# Altium PCB 底板20160428.PcbDoc (part 2 of 2)
Units mm, origin at the board's own origin, x right, y up, seen from the top; angles counter-clockwise.
Board outline 123.5 x 102.51 mm, 2 copper layers (Top Layer, Bottom Layer); 238 components, 211 nets, 736 pads, 282 vias.
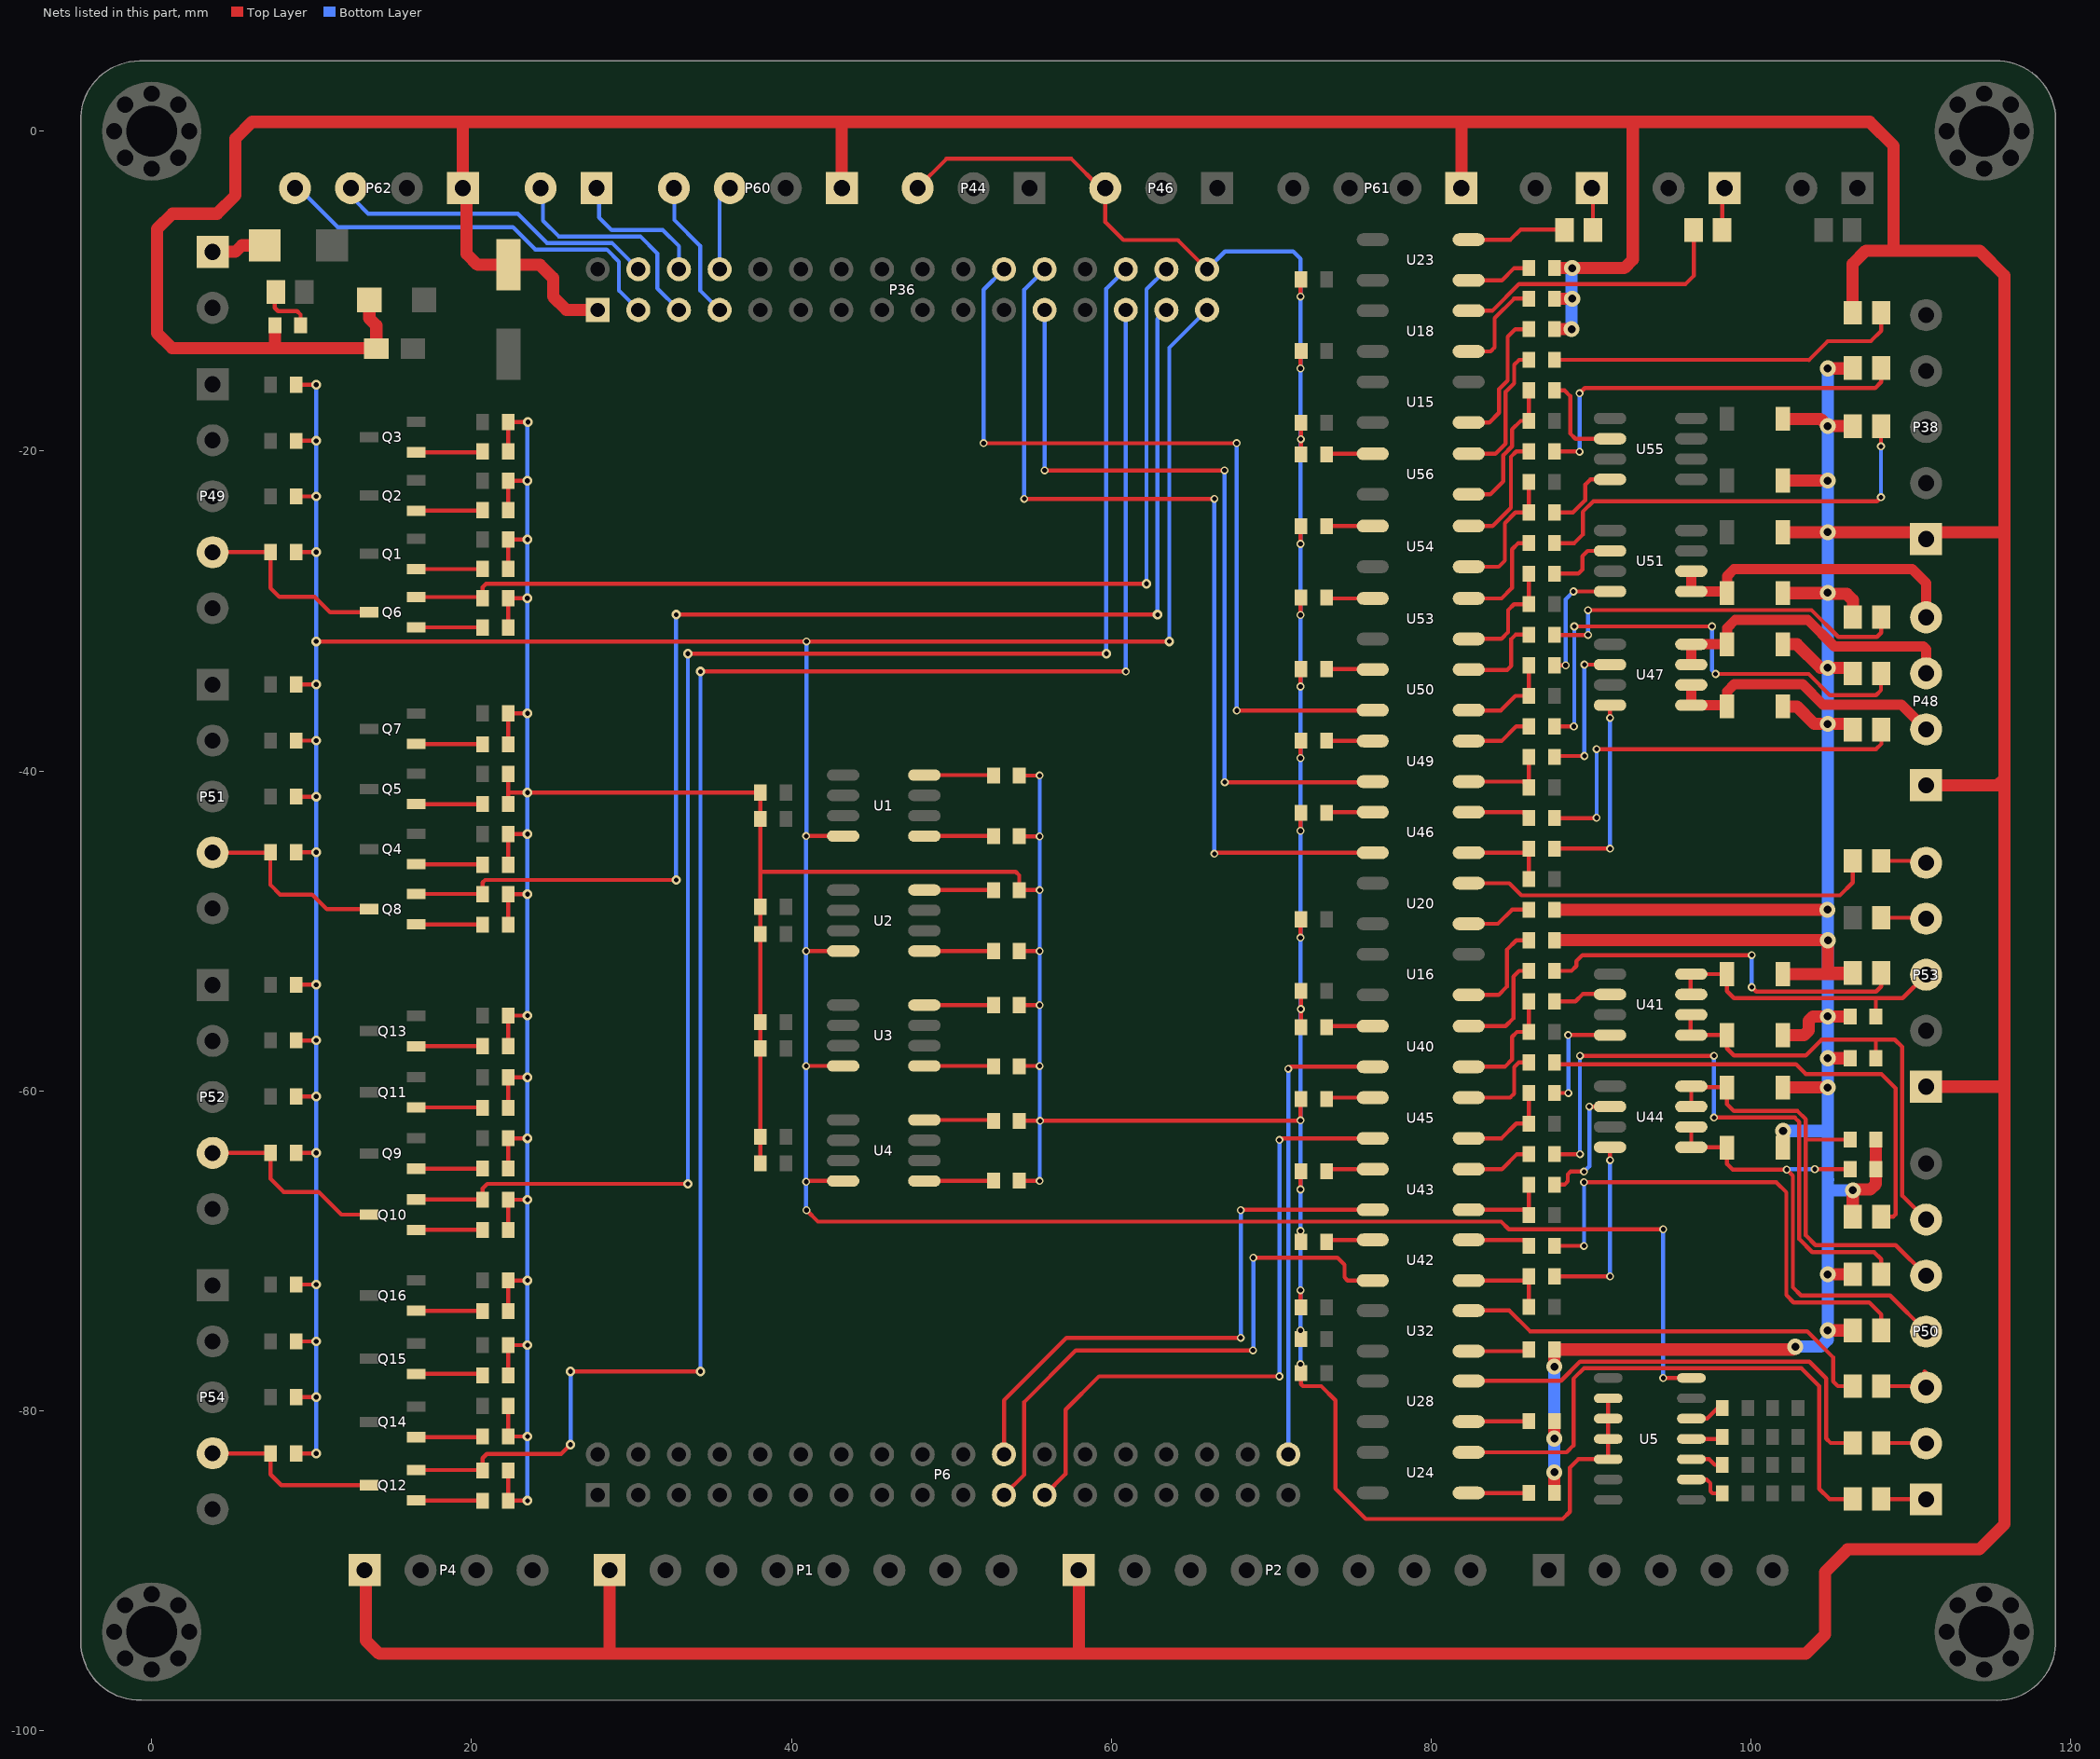
[diagram p2: the nets of this part, all layers, seen from the top]

## Via types
v1: diameter 0.5, hole 0.3, Top Layer to Bottom Layer, tented both sides, 182 vias
v2: diameter 0.6, hole 0.3, Top Layer to Bottom Layer, 47 vias
v3: diameter 0.6, hole 0.3, Top Layer to Bottom Layer, tented both sides, 28 vias
v4: diameter 1, hole 0.5, Top Layer to Bottom Layer, tented both sides, 24 vias
v5: diameter 1.2, hole 0.7, Top Layer to Bottom Layer, 1 vias

## Nets (pads, with @x,y where several pads share a name; then routed paths per layer and width w, separated by ;. In a path a pad name is that pad's centre, name@x,y a point inside that pad or via, vN(x,y) a via of type N, cw(c..) or ccw(c..) an arc to the next point about the centre after c; other vN are vias at no path point) (continued)
NetD18_A: D18.A U18.2 | length 17.7
  Top Layer w0.254: U18.2@82.499,-11.227 83.82,-11.227 85.496,-9.55 95.91,-9.55 96.417,-9.043 D18.A@96.417,-6.172
NetD19_A: D19.A U20.2 | length 26
  Top Layer w0.254: U20.2@82.347,-47.015 84.887,-47.015 85.649,-47.777 105.562,-47.777 106.364,-46.975 D19.A@106.364,-45.618
NetD22_A: D22.A U23.2 | length 6.2
  Top Layer w0.254: U23.2@82.448,-6.782 84.963,-6.782 85.598,-6.147 88.315,-6.147 D22.A@88.34,-6.172
NetD23_A: D23.A U24.2 | length 35.7
  Top Layer w0.254: U24.2@82.398,-82.601 88.468,-82.601 88.9,-82.169 88.9,-78.003 89.56,-77.343 103.149,-77.343 104.267,-78.461 104.267,-84.887 104.902,-85.522 D23.A@106.374,-85.522
NetD27_A: D27.A U28.2 | length 28.8
  Top Layer w0.254: U28.2@82.398,-78.122 88.121,-78.122 89.306,-76.937 103.657,-76.937 104.699,-77.978 104.699,-81.737 104.978,-82.017 D27.A@106.374,-82.017
NetD32_A: D32.A U32.2 | length 26.9
  Top Layer w0.254: U32.2@82.347,-73.736 84.887,-73.736 86.182,-75.032 103.505,-75.032 105.131,-76.657 105.131,-78.156 105.435,-78.461 D32.A@106.364,-78.461
NetD39_K: D39.K R97.1 | length 32.6
  Top Layer w0.254: R97.1@87.706,-69.687 89.55,-69.687 v1(89.56,-69.698) ; v1(89.56,-65.71) 101.575,-65.71 102.21,-66.345 102.21,-72.771 102.667,-73.228 107.391,-73.228 108.144,-73.981 D39.K@108.144,-74.981
  Bottom Layer w0.254: v1(89.56,-69.698) v1(89.56,-65.71)
NetD40_K: D40.K R101.2 | length 24.1
  Top Layer w0.254: R101.2@87.706,-52.495 88.78,-52.495 89.078,-52.197 89.078,-51.892 89.459,-51.511 v1(100.051,-51.511) ; v1(100.051,-53.518) 100.33,-53.797 107.823,-53.797 108.144,-53.476 108.144,-52.654 D40.K@108.153,-52.663
  Bottom Layer w0.254: v1(100.051,-53.518) v1(100.051,-51.511)
NetD41_A: D41.A R106.2 | length 3.4
  Top Layer w0.254: D41.A@7.695,-10.135 7.695,-11.048 7.899,-11.252 9.093,-11.252 9.309,-11.468 R106.2@9.309,-12.141
NetD42_K: D42.K R105.1 | length 39.3
  Top Layer w0.254: R105.1@87.706,-63.956 v1(89.306,-63.956) ; v1(89.306,-57.811) v1(97.688,-57.81) ; v1(97.688,-61.671) 102.743,-61.671 103.022,-61.951 103.022,-69.266 103.835,-70.079 107.696,-70.079 108.144,-70.527 D42.K@108.144,-71.476
  Bottom Layer w0.254: v1(89.306,-63.956) v1(89.306,-57.811) ; v1(97.688,-61.671) v1(97.688,-57.81)
NetD43_K: D43.K R110.2 | length 30.8
  Top Layer w0.254: R110.2@87.706,-58.226 87.821,-58.341 102.816,-58.341 103.429,-58.953 108.153,-58.953 109.042,-59.842 109.042,-67.716 108.89,-67.869 D43.K@108.144,-67.869
NetD49_K: D49.K R114.1 | length 25.8
  Top Layer w0.254: R114.1@87.706,-42.944 90.33,-42.944 v1(90.348,-42.926) ; v1(90.348,-38.633) 107.823,-38.633 108.154,-38.302 D49.K@108.154,-37.414
  Bottom Layer w0.254: v1(90.348,-42.926) v1(90.348,-38.633)
NetD51_K: D51.K R120.1 | length 31.6
  Top Layer w0.254: R120.1@87.706,-37.213 87.708,-37.211 v1(88.925,-37.211) ; v1(88.951,-30.963) v1(97.561,-30.963) ; v1(97.79,-33.934) 103.607,-33.934 104.927,-35.255 107.823,-35.255 108.128,-34.95 108.128,-33.58 D51.K@108.154,-33.553
  Bottom Layer w0.254: v1(88.925,-37.211) 88.951,-37.186 v1(88.951,-30.963) ; v1(97.561,-30.963) 97.561,-33.706 v1(97.79,-33.934)
NetD54_K: D54.K R126.1 | length 26.9
  Top Layer w0.254: R126.1@87.706,-25.752 88.954,-25.752 89.484,-25.222 89.484,-23.8 90.145,-23.139 107.874,-23.139 v1(108.128,-22.885) ; v1(108.128,-19.71) 108.128,-18.457 D54.K@108.144,-18.44
  Bottom Layer w0.254: v1(108.128,-22.885) v1(108.128,-19.71)
NetD57_K: D57.K R131.1 | length 24.4
  Top Layer w0.254: R131.1@87.706,-31.483 87.72,-31.496 v1(89.814,-31.496) ; v1(89.814,-29.947) 103.784,-29.947 105.461,-31.623 107.874,-31.623 108.144,-31.352 D57.K@108.144,-29.794
  Bottom Layer w0.254: v1(89.814,-31.496) v1(89.814,-29.947)
NetD58_K: D58.K R138.1 | length 25.3
  Top Layer w0.254: R138.1@87.706,-20.021 89.262,-20.021 v1(89.281,-20.041) ; v1(89.281,-16.383) 89.611,-16.053 107.772,-16.053 108.144,-15.681 D58.K@108.144,-14.808
  Bottom Layer w0.254: v1(89.281,-20.041) v1(89.281,-16.383)
NetD59_K: D59.K R142.1 | length 22.3
  Top Layer w0.254: R142.1@87.706,-14.291 103.591,-14.291 ; 103.616,-14.316 104.8,-13.132 107.493,-13.132 108.144,-12.48 D59.K@108.144,-11.354
NetQ1_1: Q1.1 R9.1 | length 4.2
  Top Layer w0.254: Q1.1@16.537,-27.374 20.681,-27.374 R9.1@20.689,-27.367
NetQ2_1: Q2.1 R28.1 | length 4.2
  Top Layer w0.254: Q2.1@16.537,-23.725 20.658,-23.725 R28.1@20.689,-23.695
NetQ3_1: Q3.1 R31.1 | length 4.2
  Top Layer w0.254: Q3.1@16.537,-20.076 20.635,-20.076 R31.1@20.689,-20.022
NetQ4_1: Q4.1 R34.1 | length 4.2
  Top Layer w0.254: Q4.1@16.537,-45.832 20.649,-45.832 R34.1@20.689,-45.872
NetQ5_1: Q5.1 R37.1 | length 4.2
  Top Layer w0.254: Q5.1@16.537,-42.073 20.679,-42.073 R37.1@20.689,-42.062
NetQ6_1: Q6.1 R38.1 | length 4.2
  Top Layer w0.254: Q6.1@16.537,-31.024 20.674,-31.024 R38.1@20.689,-31.039
NetQ7_1: Q7.1 R43.1 | length 4.2
  Top Layer w0.254: Q7.1@16.537,-38.313 20.674,-38.313 R43.1@20.689,-38.329
NetQ8_1: Q8.1 R44.1 | length 4.2
  Top Layer w0.254: Q8.1@16.537,-49.591 20.674,-49.591 R44.1@20.689,-49.606
NetQ9_1: Q9.1 R54.1 | length 4.2
  Top Layer w0.254: Q9.1@16.537,-64.865 20.671,-64.865 R54.1@20.689,-64.846
NetQ10_1: Q10.1 R56.1 | length 4.2
  Top Layer w0.254: Q10.1@16.537,-68.692 20.674,-68.692 R56.1@20.689,-68.707
NetQ11_1: Q11.1 R67.1 | length 4.2
  Top Layer w0.254: Q11.1@16.537,-61.038 20.666,-61.038 R67.1@20.689,-61.062
NetQ12_1: Q12.1 R68.1 | length 4.2
  Top Layer w0.254: Q12.1@16.537,-85.608 20.674,-85.608 R68.1@20.689,-85.623
NetQ13_1: Q13.1 R75.1 | length 4.2
  Top Layer w0.254: Q13.1@16.537,-57.211 20.679,-57.211 R75.1@20.689,-57.201
NetQ14_1: Q14.1 R78.1 | length 4.2
  Top Layer w0.254: Q14.1@16.537,-81.654 20.645,-81.654 R78.1@20.689,-81.61
NetQ15_1: Q15.1 R83.1 | length 4.2
  Top Layer w0.254: Q15.1@16.537,-77.7 20.589,-77.7 R83.1@20.689,-77.8
NetQ16_1: Q16.1 R86.1 | length 4.2
  Top Layer w0.254: Q16.1@16.537,-73.746 20.674,-73.746 R86.1@20.689,-73.762
NetR1_2: R1.2 U5.12 | length 2.2
  Top Layer w0.254: U5.12@96.27,-80.493 97.257,-80.493 97.917,-79.832 R1.2@98.209,-79.832
NetR2_2: R2.2 U5.11 | length 2
  Top Layer w0.254: U5.11@96.27,-81.763 98.082,-81.763 R2.2@98.209,-81.636
NetR3_2: R3.2 U5.10 | length 2.1
  Top Layer w0.254: U5.10@96.27,-83.033 97.384,-83.033 97.739,-83.388 R3.2@98.209,-83.388
NetR4_2: R4.2 U5.9 | length 2.6
  Top Layer w0.254: U5.9@96.27,-84.303 97.231,-84.303 97.46,-84.531 97.46,-85.039 97.587,-85.166 R4.2@98.209,-85.166
NetR11_1: R11.1 U1.4 | length 4.3
  Top Layer w0.254: U1.4@48.311,-40.259 52.616,-40.259 R11.1@52.642,-40.284
NetR12_1: R12.1 U2.4 | length 4.3
  Top Layer w0.254: U2.4@48.311,-47.447 R12.1@52.642,-47.447
NetR17_1: R17.1 U1.1 | length 4.3
  Top Layer w0.254: U1.1@48.311,-44.069 R17.1@52.642,-44.069
NetR18_1: R18.1 U2.1 | length 4.3
  Top Layer w0.254: U2.1@48.311,-51.257 R18.1@52.642,-51.257
NetR19_1: R19.1 U3.4 | length 4.3
  Top Layer w0.254: U3.4@48.311,-54.635 R19.1@52.642,-54.635
NetR20_1: R20.1 U4.4 | length 4.4
  Top Layer w0.254: U4.4@48.311,-61.824 52.591,-61.824 R20.1@52.642,-61.874
NetR25_1: R25.1 U3.1 | length 4.3
  Top Layer w0.254: U3.1@48.311,-58.445 52.616,-58.445 R25.1@52.642,-58.471
NetR26_1: R26.1 U4.1 | length 4.3
  Top Layer w0.254: U4.1@48.311,-65.634 52.616,-65.634 R26.1@52.642,-65.608
NetR46_1: R46.1 U15.1 | length 8.6
  Top Layer w0.254: U15.1@82.347,-18.212 83.642,-18.212 84.252,-17.602 84.252,-16.129 84.785,-15.596 84.785,-12.852 85.257,-12.38 R46.1@86.106,-12.38
NetR47_1: R47.1 U16.1 | length 6.5
  Top Layer w0.254: U16.1@82.347,-54 84.226,-54 84.734,-53.492 84.734,-51.181 85.331,-50.585 R47.1@86.106,-50.585
NetR52_1: R52.1 U18.1 | length 6
  Top Layer w0.254: U18.1@82.499,-13.767 83.718,-13.767 83.972,-13.513 83.972,-11.684 85.186,-10.47 R52.1@86.106,-10.47
NetR55_1: R55.1 U20.1 | length 4.1
  Top Layer w0.254: U20.1@82.347,-49.555 84.176,-49.555 85.056,-48.675 R55.1@86.106,-48.675
NetR62_1: R62.1 U23.1 | length 4
  Top Layer w0.254: U23.1@82.448,-9.322 84.43,-9.322 85.192,-8.56 R62.1@86.106,-8.56
NetR63_1: R63.1 U24.1 | length 3.7
  Top Layer w0.254: U24.1@82.398,-85.141 R63.1@86.106,-85.141 R63.1@86.081,-85.166
NetR71_1: R71.1 U28.1 | length 3.7
  Top Layer w0.254: U28.1@82.398,-80.662 86.089,-80.662 R71.1@86.106,-80.645
NetR79_1: R79.1 U32.1 | length 3.8
  Top Layer w0.254: U32.1@82.347,-76.276 86.005,-76.276 R79.1@86.106,-76.175
NetR96_1: R96.1 U40.1 | length 2.9
  Top Layer w0.254: R96.1@73.457,-56.032 73.533,-55.956 U40.1@76.352,-55.956
NetR97_2: R97.2 U42.4 | length 3.9
  Top Layer w0.254: U42.4@82.352,-69.317 85.736,-69.317 R97.2@86.106,-69.687
NetR98_2: R98.2 R99.2 U40.3 | length 7.4
  Top Layer w0.254: U40.3@82.352,-58.496 84.607,-58.496 85.065,-58.039 85.065,-56.617 85.366,-56.316 R99.2@86.106,-56.316 R98.2@86.106,-54.405
NetR100_1: R100.1 U42.1 | length 2.9
  Top Layer w0.254: R100.1@73.457,-69.444 73.584,-69.317 U42.1@76.352,-69.317
NetR101_1: R101.1 U40.4 | length 6.7
  Top Layer w0.254: U40.4@82.352,-55.956 84.658,-55.956 85.141,-55.474 85.141,-52.857 85.503,-52.495 R101.1@86.106,-52.495
NetR102_2: R102.2 R103.2 U42.3 | length 5.8
  Top Layer w0.254: U42.3@82.352,-71.857 85.847,-71.857 R102.2@86.106,-71.597 R103.2@86.106,-73.508
NetR104_1: R104.1 U43.1 | length 2.9
  Top Layer w0.254: R104.1@73.457,-65.024 73.584,-64.897 U43.1@76.352,-64.897
NetR105_2: R105.2 U43.4 | length 4.1
  Top Layer w0.254: U43.4@82.352,-64.897 84.43,-64.897 85.37,-63.956 R105.2@86.106,-63.956
NetR107_2: R107.2 R108.2 U43.3 | length 5.8
  Top Layer w0.254: U43.3@82.352,-67.437 85.766,-67.437 R108.2@86.106,-67.777 R107.2@86.106,-65.867
NetR109_1: R109.1 U45.1 | length 2.9
  Top Layer w0.254: R109.1@73.457,-60.503 73.533,-60.427 U45.1@76.352,-60.427
NetR110_1: R110.1 U45.4 | length 5.6
  Top Layer w0.254: U45.4@82.352,-60.427 84.938,-60.427 85.192,-60.173 85.192,-58.522 85.487,-58.226 R110.1@86.106,-58.226
NetR111_2: R111.2 R112.2 U45.3 | length 6
  Top Layer w0.254: U45.3@82.352,-62.967 84.404,-62.967 85.325,-62.046 R112.2@86.106,-62.046 R111.2@86.106,-60.136
NetR113_1: R113.1 U46.1 | length 2.9
  Top Layer w0.254: R113.1@73.457,-42.621 73.508,-42.57 U46.1@76.352,-42.57
NetR114_2: R114.2 U46.4 | length 3.9
  Top Layer w0.254: U46.4@82.352,-42.57 85.733,-42.57 R114.2@86.106,-42.944
NetR116_2: R116.2 R118.2 U46.3 | length 5.8
  Top Layer w0.254: U46.3@82.352,-45.11 85.85,-45.11 R116.2@86.106,-44.854 R118.2@86.106,-46.764
NetR119_1: R119.1 U49.1 | length 2.9
  Top Layer w0.254: R119.1@73.457,-38.1 73.482,-38.125 U49.1@76.352,-38.125
NetR120_2: R120.2 U49.4 | length 4.1
  Top Layer w0.254: U49.4@82.352,-38.125 84.404,-38.125 85.316,-37.213 R120.2@86.106,-37.213
NetR123_2: R123.2 R124.2 U49.3 | length 5.8
  Top Layer w0.254: U49.3@82.352,-40.665 85.738,-40.665 R124.2@86.106,-41.034 R123.2@86.106,-39.124
NetR125_1: R125.1 U50.1 | length 2.9
  Top Layer w0.254: R125.1@73.457,-33.63 U50.1@76.346,-33.63
NetR126_2: R126.2 U53.4 | length 6.6
  Top Layer w0.254: U53.4@82.352,-29.21 84.404,-29.21 85.065,-28.55 85.065,-26.137 85.449,-25.752 R126.2@86.106,-25.752
NetR127_2: R127.2 R128.2 U50.3 | length 6
  Top Layer w0.254: U50.3@82.398,-36.221 84.353,-36.221 85.271,-35.303 R128.2@86.106,-35.303 R127.2@86.106,-33.393
NetR130_1: R130.1 U53.1 | length 2.9
  Top Layer w0.254: R130.1@73.457,-29.159 73.508,-29.21 U53.1@76.352,-29.21
NetR131_2: R131.2 U50.4 | length 5.6
  Top Layer w0.254: U50.4@82.398,-33.681 84.759,-33.681 85.014,-33.426 85.014,-31.75 85.281,-31.483 R131.2@86.106,-31.483
NetR133_2: R133.2 R135.2 U53.3 | length 7.3
  Top Layer w0.254: U53.3@82.398,-31.742 84.387,-31.742 84.811,-31.318 84.811,-29.947 85.185,-29.572 R135.2@86.106,-29.572 R133.2@86.106,-27.662
NetR137_1: R137.1 U54.1 | length 2.9
  Top Layer w0.254: R137.1@73.457,-24.689 U54.1@76.363,-24.689
NetR138_2: R138.2 U54.4 | length 7.6
  Top Layer w0.254: U54.4@82.352,-24.689 83.845,-24.689 84.988,-23.546 84.988,-20.352 85.319,-20.021 R138.2@86.106,-20.021
NetR139_2: R139.2 R140.2 U54.3 | length 8.4
  Top Layer w0.254: U54.3@82.352,-27.229 84.226,-27.229 84.607,-26.848 84.607,-24.502 85.267,-23.842 R139.2@86.106,-23.842 R140.2@86.106,-21.931
NetR141_1: R141.1 U56.1 | length 2.9
  Top Layer w0.254: R141.1@73.457,-20.218 73.508,-20.168 U56.1@76.352,-20.168
NetR142_2: R142.2 U56.4 | length 8.8
  Top Layer w0.254: U56.4@82.352,-20.168 84.023,-20.168 84.658,-19.533 84.658,-16.297 85.192,-15.764 85.192,-14.605 85.506,-14.291 R142.2@86.106,-14.291
NetR143_2: R143.2 R144.2 U56.3 | length 9.1
  Top Layer w0.254: U56.3@82.352,-22.708 83.693,-22.708 84.506,-21.895 84.506,-20.26 85.065,-19.701 85.065,-18.644 85.597,-18.111 R144.2@86.106,-18.111 R143.2@86.106,-16.201
O13: R98.1 U41.2 | length 3.7
  Top Layer w0.254: R98.1@87.706,-54.405 89.028,-54.405 89.484,-53.95 91.161,-53.95 U41.2@91.186,-53.975
O14: R102.1 U44.4 | length 11.6
  Top Layer w0.254: R102.1@87.706,-71.597 87.711,-71.603 v1(91.186,-71.603) ; v1(91.186,-64.338) U44.4@91.186,-63.525
  Bottom Layer w0.254: v1(91.186,-71.603) v1(91.186,-64.338)
O15: R107.1 U44.2 | length 7.9
  Top Layer w0.254: R107.1@87.706,-65.867 88.337,-65.867 88.544,-65.659 88.544,-65.227 88.722,-65.049 v1(89.56,-65.049) ; v1(89.891,-60.985) U44.2@91.186,-60.985
  Bottom Layer w0.254: v1(89.56,-65.049) 89.891,-64.719 v1(89.891,-60.985)
O16: R111.1 U41.4 | length 7.1
  Top Layer w0.254: R111.1@87.706,-60.136 v1(88.581,-60.136) ; v1(88.57,-56.515) U41.4@91.186,-56.515
  Bottom Layer w0.254: v1(88.581,-60.136) v1@88.581,-56.515
O17: R116.1 U47.4 | length 12.5
  Top Layer w0.254: R116.1@87.708,-44.856 87.734,-44.831 87.759,-44.856 v1(91.186,-44.856) ; v1(91.186,-36.678) U47.4@91.186,-35.89
  Bottom Layer w0.254: v1(91.186,-44.856) v1(91.186,-36.678)
O18: R123.1 U47.2 | length 9.2
  Top Layer w0.254: R123.1@87.706,-39.124 87.765,-39.065 v1(89.586,-39.065) ; v1(89.586,-33.35) U47.2@91.186,-33.35
  Bottom Layer w0.254: v1(89.586,-39.065) v1(89.586,-33.35)
O19: R127.1 U51.4 | length 7.8
  Top Layer w0.254: R127.1@87.706,-33.393 v1(88.409,-33.393) ; v1(88.9,-28.778) U51.4@91.186,-28.778
  Bottom Layer w0.254: v1(88.409,-33.393) 88.409,-29.269 v1(88.9,-28.778)
O20: R133.1 U51.2 | length 4.6
  Top Layer w0.254: R133.1@87.706,-27.662 89.203,-27.662 89.459,-27.407 89.459,-26.568 89.789,-26.238 U51.2@91.186,-26.238
O21: R139.1 U55.4 | length 4.9
  Top Layer w0.254: R139.1@87.706,-23.842 88.868,-23.842 89.637,-23.073 89.637,-22.098 89.967,-21.768 U55.4@91.186,-21.768
O22: R143.1 U55.2 | length 6.1
  Top Layer w0.254: R143.1@87.706,-16.201 88.337,-16.201 88.697,-16.561 88.697,-18.898 89.027,-19.228 U55.2@91.186,-19.228
PW_VCC: D1.1 J4.1 | length 3.5
  Top Layer w0.762: J4.1@3.861,-7.493 J4.1@3.81,-7.544 5.232,-7.544 5.639,-7.137 D1.1@7.069,-7.137
PWM1: P36.30 Q6.2 R42.1 | length 66.7
  Top Layer w0.254: Q6.2@16.537,-29.124 20.61,-29.124 R42.1@20.689,-29.203 20.689,-28.511 20.904,-28.296 v2(62.205,-28.296)
  Bottom Layer w0.254: v2(62.205,-28.296) 62.205,-9.881 P36.30@63.449,-8.636
PWM2: P36.29 Q8.2 R53.1 | length 83
  Top Layer w0.254: Q8.2@16.537,-47.691 20.679,-47.691 R53.1@20.689,-47.701 20.689,-46.976 20.853,-46.812 v2(32.791,-46.812) ; v2(32.791,-30.226) v2(62.89,-30.226)
  Bottom Layer w0.254: v2(32.791,-46.812) v2(32.791,-30.226) ; v2(62.89,-30.226) 62.89,-11.735 P36.29@63.449,-11.176
PWM3: P36.28 Q10.2 R64.1 | length 101.6
  Top Layer w0.254: Q10.2@16.537,-66.792 20.679,-66.792 R64.1@20.689,-66.802 20.689,-66.103 20.98,-65.811 v2(33.528,-65.811) ; v2(33.528,-32.664) v2(59.69,-32.664)
  Bottom Layer w0.254: v2(33.528,-65.811) v2(33.528,-32.664) ; v2@59.69,-32.639 59.69,-9.855 P36.28@60.909,-8.636
PWM4: P36.27 Q12.2 R73.1 | length 116.4
  Top Layer w0.254: Q12.2@16.537,-83.708 20.654,-83.708 R73.1@20.689,-83.744 20.689,-82.968 20.955,-82.702 25.603,-82.702 v2(26.187,-82.118) ; v2(26.187,-77.546) v2(34.315,-77.546) ; v2(34.315,-33.782) v1(60.909,-33.782)
  Bottom Layer w0.254: v2(26.187,-82.118) v2(26.187,-77.546) ; v2@34.315,-77.521 v2(34.315,-33.782) ; v1(60.909,-33.782) P36.27@60.909,-11.176
PWM11: P49.4 Q6.3 R41.1 | length 12.6
  Top Layer w0.254: P49.4@3.81,-26.323 7.421,-26.323 7.421,-28.554 7.976,-29.108 10.185,-29.108 11.151,-30.074 Q6.3@13.587,-30.074
PWM22: P51.4 Q8.3 R51.1 | length 12.4
  Top Layer w0.254: P51.4@3.81,-45.103 7.412,-45.103 7.412,-47.112 8.026,-47.727 10.033,-47.727 10.947,-48.641 Q8.3@13.587,-48.641
PWM33: P52.4 Q10.3 R61.1 | length 12.3
  Top Layer w0.254: P52.4@3.81,-63.882 P52.4@3.81,-63.882 R61.1@7.43,-63.881 7.43,-65.494 8.255,-66.319 10.439,-66.319 11.862,-67.742 Q10.3@13.587,-67.742
PWM44: P54.4 Q12.3 R72.1 | length 11.4
  Top Layer w0.254: P54.4@3.81,-82.661 3.826,-82.677 R72.1@7.43,-82.677 7.43,-83.985 8.103,-84.658 Q12.3@13.587,-84.658
QD_KR1: D22.K P43.1 | length 2.6
  Top Layer w0.254: P43.1@90.068,-3.556 90.12,-3.608 D22.K@90.12,-6.172
QYG_KC1: P6.36 U40.2 | length 29.4
  Top Layer w0.254: v1(71.069,-58.623) 71.196,-58.496 U40.2@76.352,-58.496
  Bottom Layer w0.254: P6.36@71.069,-82.728 v1(71.069,-58.623)
QYG_KC11: D56.1 P53.3 R5.2 U41.7 U41.8 | length 19
  Top Layer w0.254: U41.7@96.215,-53.975 96.215,-52.756 U41.8@96.266,-52.705 D56.1@98.501,-52.705 98.501,-53.772 98.933,-54.204 107.798,-54.204 ; R5.2@107.81,-55.347 107.81,-54.216 107.798,-54.204 ; P53.3@110.947,-52.741 109.484,-54.204 107.798,-54.204
QYG_KR1: D15.K P53.4 | length 2.9
  Top Layer w0.254: D15.K@108.154,-49.174 P53.4@110.881,-49.174 ; P53.4@110.855,-48.489 P53.4@110.947,-48.58
QYG_KR2: D19.K P53.5 | length 2.7
  Top Layer w0.254: D19.K@108.144,-45.618 P53.5@110.825,-45.618 ; P53.5@110.926,-45.06 P53.5@110.947,-45.08
RS485_1A: P36.7 P60.4 | length 8.8
  Bottom Layer w0.254: P60.4@32.68,-3.556 32.68,-5.553 34.29,-7.163 34.29,-9.957 P36.7@35.509,-11.176
RS485_1B: P36.8 P60.3 | length 5.3
  Bottom Layer w0.254: P36.8@35.509,-8.636 35.509,-4.201 P60.3@36.155,-3.556
SPEEKR+: P36.6 P42.1 | length 9
  Bottom Layer w0.254: P42.1@27.965,-3.556 27.965,-5.385 28.753,-6.172 31.953,-6.172 32.969,-7.188 P36.6@32.969,-8.636
SPEEKR-: P36.5 P42.2 | length 14.1
  Bottom Layer w0.254: P42.2@24.465,-3.556 24.465,-5.593 25.451,-6.579 30.556,-6.579 31.623,-7.645 31.623,-9.83 P36.5@32.969,-11.176
SSD_KC1: P36.24 U46.2 | length 58.9
  Top Layer w0.254: v1(54.559,-22.987) v1(66.446,-22.987) ; v1(66.446,-45.179) 66.515,-45.11 U46.2@76.352,-45.11
  Bottom Layer w0.254: v1(54.559,-22.987) 54.559,-9.906 P36.24@55.829,-8.636 ; v1(66.446,-45.179) v1(66.446,-22.987)
SSD_KC2: P36.23 U49.2 | length 50.1
  Top Layer w0.254: v1(55.829,-21.209) v1(67.081,-21.209) ; v1(67.097,-40.7) U49.2@76.398,-40.7
  Bottom Layer w0.254: v1(55.829,-21.209) P36.23@55.829,-11.176 ; v1@67.081,-40.7 v1(67.081,-21.209)
SSD_KC3: P36.22 U50.2 | length 52.5
  Top Layer w0.254: v1(52.019,-19.507) v1(67.843,-19.507) ; v1(67.844,-36.221) U50.2@76.398,-36.221
  Bottom Layer w0.254: v1(52.019,-19.507) 52.019,-9.906 P36.22@53.289,-8.636 ; v1(67.844,-36.221) v1(67.843,-19.507)
SSD_KC11: D46.1 P48.2 U47.5 U47.6 | length 18.3
  Top Layer w0.635: U47.6@96.266,-34.62 U47.5@96.266,-35.89 98.4,-35.89 D46.1@98.501,-35.789 ; D46.1@98.501,-35.966 98.501,-35.029 98.953,-34.577 103.227,-34.577 104.502,-35.852 109.405,-35.852 P48.2@110.947,-37.394
SSD_KC22: D48.1 P48.3 U47.7 U47.8 | length 19.7
  Top Layer w0.254: D48.1@98.4,-32.08 D48.1@98.501,-32.08 98.45,-32.131 D48.1@98.4,-32.08
  Top Layer w0.635: U47.7@96.266,-33.35 U47.8@96.266,-32.08 98.4,-32.08 D48.1@98.501,-32.08 98.501,-31.064 99.022,-30.543 103.537,-30.543 105.214,-32.22 110.782,-32.22 110.947,-32.385 P48.3@110.947,-33.894
SSD_KC33: D50.1 P48.4 U51.5 U51.6 | length 19.7
  Top Layer w0.254: D50.1@98.4,-28.778 D50.1@98.501,-28.88
  Top Layer w0.635: U51.6@96.266,-27.508 U51.5@96.266,-28.778 D50.1@98.4,-28.778 ; D50.1@98.501,-28.88 98.501,-27.813 98.933,-27.381 110.084,-27.381 110.947,-28.245 P48.4@110.947,-30.394
TXX_KC1: P6.21 U42.2 | length 36.3
  Top Layer w0.254: P6.21@53.289,-85.268 54.559,-83.998 54.559,-79.451 57.785,-76.225 v1(68.859,-76.225) ; v1(68.881,-70.434) 74.143,-70.434 74.584,-70.876 74.584,-71.663 74.778,-71.857 U42.2@76.352,-71.857
  Bottom Layer w0.254: v1(68.859,-76.225) 68.881,-76.204 v1(68.881,-70.434)
TXX_KC2: P6.22 U43.2 | length 36
  Top Layer w0.254: P6.22@53.289,-82.728 53.289,-79.35 57.201,-75.438 v1(68.097,-75.438) ; v1(68.097,-67.462) 68.123,-67.437 U43.2@76.352,-67.437
  Bottom Layer w0.254: v1(68.097,-75.438) v1(68.097,-67.462)
TXX_KC3: P6.23 U45.2 | length 40.8
  Top Layer w0.254: P6.23@55.829,-85.268 57.15,-83.947 57.15,-79.934 59.233,-77.851 v1(70.51,-77.851) ; v1(70.51,-63.068) 70.612,-62.967 U45.2@76.352,-62.967
  Bottom Layer w0.254: v1(70.51,-77.851) v1(70.51,-63.068)
TXX_KC11: D52.1 P50.4 R8.1 U44.5 U44.6 | length 30.4
  Top Layer w0.254: U44.6@96.266,-62.255 U44.5@96.266,-63.525 98.476,-63.525 D52.1@98.501,-63.551 ; v1(103.988,-64.897) R8.1@106.21,-64.897 ; P50.4@110.947,-75.047 108.696,-72.796 103.124,-72.796 102.616,-72.288 102.616,-65.303 v1(102.235,-64.922) 98.857,-64.922 98.501,-64.567 ; 98.501,-64.567 D52.1@98.501,-63.551 ; 98.501,-64.567 D52.1@98.501,-63.551
  Bottom Layer w0.254: v1(102.235,-64.922) 102.26,-64.897 v1(103.988,-64.897)
TXX_KC22: D53.1 P50.5 R7.2 U44.7 U44.8 | length 28.4
  Top Layer w0.254: U44.7@96.266,-60.985 96.266,-59.766 98.476,-59.766 D53.1@98.501,-59.792 98.501,-60.833 98.933,-61.265 102.911,-61.265 103.429,-61.782 103.429,-63.068 ; R7.2@106.21,-63.043 103.454,-63.043 103.429,-63.068 ; P50.5@110.947,-71.547 109.047,-69.647 104.038,-69.647 103.429,-69.037 103.429,-63.068
TXX_KC33: D55.1 P50.6 R6.1 U41.5 U41.6 | length 28.7
  Top Layer w0.254: U41.5@96.215,-56.566 U41.6@96.215,-55.245 ; U41.5@96.266,-56.515 D55.1@98.501,-56.515 98.501,-57.353 98.933,-57.785 103.429,-57.785 104.419,-56.794 107.798,-56.794 ; R6.1@107.81,-57.963 107.81,-56.807 107.798,-56.794 ; P50.6@110.947,-68.047 109.449,-66.549 109.449,-57.252 108.991,-56.794 107.798,-56.794
TXX_KR1: D23.K P50.1 | length 2.8
  Top Layer w0.254: D23.K@108.154,-85.522 P50.1@110.922,-85.522
TXX_KR2: D27.K P50.2 | length 2.8
  Top Layer w0.254: D27.K@108.154,-82.017 P50.2@110.917,-82.017
TXX_KR3: D32.K P50.3 | length 2.8
  Top Layer w0.254: D32.K@108.144,-78.461 P50.3@110.861,-78.461 ; 110.861,-77.546 P50.3@110.947,-77.633
TZ_KR1: D18.K P45.1 | length 2.6
  Top Layer w0.254: P45.1@98.171,-3.556 98.197,-3.582 D18.K@98.197,-6.172
U2_RX: P36.3 P62.4 | length 25.5
  Bottom Layer w0.254: P62.4@9.185,-3.556 11.623,-5.994 22.581,-5.994 23.978,-7.391 28.448,-7.391 29.21,-8.153 29.21,-9.957 P36.3@30.429,-11.176
U2_TX: P36.4 P62.3 | length 20.3
  Bottom Layer w0.254: P62.3@12.685,-3.556 12.685,-4.303 13.538,-5.156 22.885,-5.156 24.714,-6.985 28.778,-6.985 P36.4@30.429,-8.636
VCC3.3_B: P36.32 P44.3 P46.3 R9.2 R11.2 R12.2 R13.2 R14.2 R15.1 R16.1 R17.2 R18.2 R19.2 R20.2 R21.2 R22.2 R23.1 R24.1 R25.2 R26.2 R27.2 R28.2 R30.2 R31.2 R33.2 R34.2 R36.2 R37.2 R38.2 R40.2 R42.2 R43.2 R44.2 R48.2 R49.2 R50.2 R53.2 R54.2 R56.2 R57.2 R58.2 R60.2 R64.2 R65.2 R66.2 R67.2 R68.2 R70.2 R73.2 R74.2 R75.2 R77.2 R78.2 R81.2 R82.2 R83.2 R85.2 R86.2 R88.2 R96.2 R100.2 R104.2 R109.2 R113.2 R119.2 R125.2 R130.2 R137.2 R141.2 U5.2 U5.3 U5.4 U5.5 | length 372.3
  Top Layer w0.254: R73.2@22.289,-83.744 R68.2@22.289,-85.623 v2(23.495,-85.623) ; R81.2@22.289,-79.705 R78.2@22.289,-81.61 v2(23.495,-81.61) ; R83.2@22.289,-77.8 R85.2@22.289,-75.895 v2(23.495,-75.895) ; R86.2@22.289,-73.762 R88.2@22.289,-71.857 v2(23.495,-71.857) ; R56.2@22.289,-68.707 R64.2@22.289,-66.802 v2(23.495,-66.802) ; R54.2@22.289,-64.846 R60.2@22.289,-62.967 v2(23.495,-62.967) ; R67.2@22.289,-61.062 R70.2@22.289,-59.157 v2(23.495,-59.157) ; R75.2@22.289,-57.201 R77.2@22.289,-55.296 v2(23.495,-55.296) ; R44.2@22.289,-49.606 R53.2@22.289,-47.701 v2(23.495,-47.701) ; R34.2@22.289,-45.872 R36.2@22.289,-43.942 v2(23.495,-43.942) ; R37.2@22.289,-42.062 22.289,-41.351 ; R40.2@22.289,-40.183 22.289,-41.351 ; R43.2@22.289,-38.329 R48.2@22.289,-36.398 v2(23.495,-36.398) ; R38.2@22.289,-31.039 R42.2@22.289,-29.203 v2(23.488,-29.203) ; R9.2@22.289,-27.367 R27.2@22.289,-25.531 v2(23.491,-25.531) ; R28.2@22.289,-23.695 R30.2@22.289,-21.859 v2(23.484,-21.859) ; R31.2@22.289,-20.022 R33.2@22.289,-18.186 v2(23.52,-18.186) ; R24.1@38.062,-64.541 R22.2@38.062,-62.865 R23.1@38.062,-57.353 R21.2@38.062,-55.702 R16.1@38.062,-50.19 R14.2@38.062,-48.489 38.062,-46.304 ; P44.3@47.864,-3.556 49.693,-1.727 57.506,-1.727 59.334,-3.556 P46.3@59.624,-3.556 59.624,-5.675 60.757,-6.807 64.16,-6.807 P36.32@65.989,-8.636 ; R26.2@54.242,-65.608 54.267,-65.634 v1(55.524,-65.634) ; R20.2@54.242,-61.874 v1(55.55,-61.874) v1@71.831,-61.874 ; R25.2@54.242,-58.471 54.267,-58.445 v1(55.524,-58.445) ; R19.2@54.242,-54.635 v1(55.524,-54.635) ; R18.2@54.242,-51.257 v1(55.524,-51.257) ; R17.2@54.242,-44.069 54.267,-44.094 v1(55.524,-44.094) ; R11.2@54.242,-40.284 v1(55.524,-40.284) ; v1(55.524,-47.447) R12.2@54.242,-47.447 54.242,-46.52 54.026,-46.304 38.062,-46.304 ; R82.2@71.831,-73.507 v1(71.831,-72.466) ; v1(71.831,-66.167) R104.2@71.831,-65.05 ; v1(71.831,-61.849) R109.2@71.831,-60.528 ; v1(71.831,-50.419) R58.2@71.831,-49.302 ; v1(71.831,-43.739) R113.2@71.831,-42.647 ; v1(71.831,-39.192) R119.2@71.831,-38.126 ; v1(71.831,-34.722) R125.2@71.831,-33.655 ; v1(71.831,-30.251) R130.2@71.831,-29.185 ; v1(71.831,-25.806) R137.2@71.831,-24.714 ; v1(71.831,-14.834) R57.2@71.831,-13.78 ; v1(71.831,-10.338) R65.2@71.831,-9.297 ; R66.2@71.857,-77.648 71.857,-78.334 71.984,-78.461 73.127,-78.461 74.012,-79.346 74.012,-84.867 75.911,-86.766 88.224,-86.766 88.671,-86.319 88.671,-83.566 89.205,-83.033 U5.5@91.07,-83.033 U5.4@91.07,-81.763 U5.3@91.07,-80.493 U5.2@91.07,-79.223 ; R96.2@71.857,-56.032 v1(71.857,-54.889) R50.2@71.857,-53.746 ; R141.2@71.857,-20.218 v1(71.857,-19.253) R49.2@71.857,-18.237 ; 22.289,-41.351 v2(23.495,-41.351) 24.816,-41.351 R13.2@38.062,-41.351 R15.1@38.062,-43.002 38.062,-46.304
  Bottom Layer w0.254: v2(23.495,-85.623) v2(23.495,-81.61) v2(23.495,-75.895) v2(23.495,-66.802) v2(23.495,-62.967) v2(23.495,-55.296) v2(23.495,-41.351) v2@23.495,-18.186 ; v1(55.524,-65.634) v1(55.524,-40.284) ; P36.32@65.989,-8.636 67.107,-7.518 71.374,-7.518 71.831,-7.976 v1(71.831,-10.338) v1(71.831,-14.834) v1(71.831,-25.806) v1(71.831,-30.251) v1(71.831,-34.722) v1(71.831,-39.192) v1(71.831,-43.739) v1(71.831,-50.419) v1(71.831,-61.849) v1(71.831,-66.167) v1(71.831,-68.758) v1(71.831,-72.466) v1(71.831,-74.981) v1(71.831,-77.089)
VCC5: P36.31 R10.2 R29.2 R32.2 R35.2 R39.2 R41.2 R45.2 R51.2 R59.2 R61.2 R69.2 R72.2 R76.2 R80.2 R84.2 R87.2 U1.8 U2.8 U3.8 U4.8 U5.14 | length 271.9
  Top Layer w0.254: R72.2@9.03,-82.677 v2(10.287,-82.677) ; R80.2@9.03,-79.146 v2(10.287,-79.146) ; R84.2@9.03,-75.667 v2(10.287,-75.667) ; R87.2@9.03,-72.111 v2(10.287,-72.111) ; R61.2@9.03,-63.881 v2(10.287,-63.881) ; R59.2@9.03,-60.35 v2(10.287,-60.35) ; R69.2@9.03,-56.845 v2(10.287,-56.845) ; R76.2@9.03,-53.365 v2(10.287,-53.365) ; R51.2@9.03,-45.085 v2(10.287,-45.085) ; R35.2@9.03,-41.605 v2(10.287,-41.605) ; R39.2@9.03,-38.1 v2(10.287,-38.1) ; R45.2@9.03,-34.595 v2(10.287,-34.595) ; R41.2@9.03,-26.314 v2(10.287,-26.314) ; R10.2@9.03,-22.835 v2(10.287,-22.835) ; R29.2@9.03,-19.355 v2(10.287,-19.355) ; R32.2@9.03,-15.85 v2(10.287,-15.85) ; v2(10.287,-31.902) v1(40.945,-31.902) v2(63.627,-31.902) ; v1(40.919,-65.684) 40.97,-65.634 U4.8@43.231,-65.634 ; v1(40.919,-58.445) U3.8@43.231,-58.445 ; v1(40.919,-51.257) U2.8@43.231,-51.257 ; v1(40.919,-44.069) U1.8@43.231,-44.069 ; v1(40.945,-67.462) 41.656,-68.174 84.379,-68.174 84.861,-68.656 v1(94.513,-68.656) ; v1(94.513,-77.953) U5.14@96.27,-77.953
  Bottom Layer w0.254: v2(10.287,-82.677) v2(10.287,-75.667) v2(10.287,-72.111) v2(10.287,-63.881) v2(10.287,-60.35) v2(10.287,-56.845) v2(10.287,-53.365) v2(10.287,-45.085) v2(10.287,-41.605) v2(10.287,-38.1) v2(10.287,-34.595) v2(10.287,-26.314) v2(10.287,-22.835) v2(10.287,-19.355) v2@10.287,-15.875 ; v1(40.945,-67.462) 40.919,-67.437 v1(40.919,-65.684) v1(40.919,-58.445) v1(40.919,-44.069) 40.945,-44.044 v1(40.945,-31.902) ; v2(63.627,-31.902) 63.627,-13.538 P36.31@65.989,-11.176 ; v1(94.513,-77.953) v1(94.513,-68.656)
VCC24_B: C2.1 C3.1 D39.A D40.A D42.A D43.A D44.2 D45.2 D46.2 D47.2 D48.2 D49.A D50.2 D51.A D52.2 D53.2 D54.A D55.2 D56.2 D57.A D58.A D59.A F1.2 P1.1 P2.1 P4.1 P36.1 P38.1 P48.1 P53.1 P60.1 P61.1 P62.1 R5.1 R6.2 R7.1 R8.2 R46.2 R47.2 R52.2 R55.2 R62.2 R63.2 R71.2 R79.2 R106.1 | length 608.5
  Top Layer w0.381: R47.2@87.706,-50.585 87.667,-50.546 R47.2@87.706,-50.507
  Top Layer w0.762: 7.709,-13.5 R106.1@7.709,-12.141 ; P4.1@13.31,-89.967 13.386,-90.043 13.386,-94.361 14.224,-95.199 28.626,-95.199 ; F1.2@13.609,-10.551 13.609,-11.704 14.046,-12.141 C3.1@14.046,-13.589 ; C3.1@13.894,-13.564 1.27,-13.564 0.33,-12.624 0.33,-6.121 1.295,-5.156 4.089,-5.156 5.232,-4.013 5.232,-0.457 6.274,0.584 107.417,0.584 108.915,-0.914 108.915,-7.417 108.864,-7.468 ; P62.1@19.456,-3.556 19.456,0.559 ; P62.1@19.685,-3.556 19.685,-7.671 20.371,-8.357 C2.1@22.301,-8.357 24.282,-8.357 25.095,-9.169 25.095,-10.338 25.933,-11.176 P36.1@27.889,-11.176 ; P1.1@28.626,-89.967 28.626,-95.199 ; P60.1@43.155,-3.556 43.155,0.508 ; P2.1@57.963,-89.967 57.963,-95.123 57.887,-95.199 ; P61.1@81.89,-3.556 81.89,0.533 ; R63.2@87.706,-85.141 v4(87.706,-83.845) ; v4(87.706,-81.737) R71.2@87.706,-80.645 ; v4(87.706,-77.241) R79.2@87.706,-76.175 102.591,-76.175 v4(102.768,-75.997) ; R47.2@87.706,-50.585 v4(104.812,-50.585) ; R55.2@87.706,-48.675 v4(104.783,-48.675) ; R46.2@87.706,-12.38 v4(88.784,-12.38) ; R52.2@87.706,-10.47 v4(88.819,-10.47) ; R62.2@87.706,-8.56 v4(88.824,-8.56) 92.075,-8.56 92.608,-8.026 92.608,0.559 ; D53.2@102.001,-59.792 v4(104.8,-59.792) ; D55.2@102.001,-56.515 103.327,-56.515 103.607,-56.236 103.607,-55.626 103.886,-55.347 v4(104.8,-55.347) R5.1@106.21,-55.347 ; D56.2@102.001,-52.705 106.298,-52.705 106.374,-52.629 105.08,-52.629 104.8,-52.349 104.812,-52.337 v4(104.812,-50.585) ; D46.2@102.001,-35.966 102.87,-35.966 103.962,-37.059 v4(104.8,-37.059) D49.A@106.374,-37.059 ; D48.2@102.001,-32.08 102.87,-32.08 104.343,-33.553 v4(104.8,-33.553) D51.A@106.374,-33.553 ; D50.2@102.001,-28.88 v4@104.775,-28.88 ; D44.2@102.001,-25.07 v4(104.8,-25.07) 115.849,-25.07 ; D45.2@102.001,-21.844 v4(104.8,-21.844) ; D47.2@102.001,-17.983 104.343,-17.983 v4(104.8,-18.44) D54.A@106.364,-18.44 ; v4(104.8,-74.981) D39.A@106.364,-74.981 ; v4(104.8,-71.476) D42.A@106.364,-71.476 ; v4(104.8,-57.963) R6.2@106.21,-57.963 ; v4(104.8,-28.854) v4@104.775,-28.88 ; v4(104.8,-14.834) 106.339,-14.834 D58.A@106.364,-14.808 ; v4@104.826,-50.571 v4(104.812,-50.585) ; D43.A@106.364,-67.869 106.364,-66.229 v4(106.375,-66.218) 106.426,-66.167 107.467,-66.167 107.81,-65.824 R7.1@107.81,-63.043 ; D59.A@106.364,-11.354 106.35,-11.339 106.35,-8.306 107.188,-7.468 108.864,-7.468 ; D57.A@106.374,-30.378 106.374,-29.311 105.994,-28.931 104.826,-28.931 v4@104.775,-28.88 ; P53.1@110.947,-59.741 115.824,-59.741 115.849,-59.715 ; P48.1@110.947,-40.894 115.418,-40.894 115.849,-40.462 ; 28.626,-95.199 57.887,-95.199 ; 57.887,-95.199 103.429,-95.199 104.623,-94.005 104.623,-90.094 106.045,-88.671 114.275,-88.671 115.849,-87.097 115.849,-59.715 ; 108.864,-7.468 114.3,-7.468 115.849,-9.017 115.849,-25.07 ; 115.849,-59.715 115.849,-40.462 ; 115.849,-40.462 115.849,-25.07
  Bottom Layer w0.762: v4(87.706,-83.845) v4(87.706,-81.737) v4(87.706,-77.241) ; v4(88.784,-12.38) v4@88.784,-8.6 ; v4(102.006,-62.509) 104.724,-62.509 104.8,-62.433 ; v4(102.768,-75.997) 104.369,-75.997 104.8,-75.565 v4(104.8,-74.981) 104.8,-66.243 ; v4(104.8,-14.834) v4(104.8,-21.844) v4(104.8,-25.07) v4(104.8,-28.854) v4(104.8,-37.059) 104.812,-37.071 v4(104.812,-50.585) 104.812,-55.335 v4(104.8,-55.347) v4(104.8,-57.963) v4(104.8,-59.792) 104.8,-62.433 ; 104.826,-65.557 104.8,-65.532 ; v4(106.375,-66.218) 104.826,-66.218 104.8,-66.243 ; 104.8,-66.243 104.8,-65.532 ; 104.8,-65.532 104.8,-62.433
pads on no net: ?.1

## Polygon pours and split planes (outlines as drawn)
GND24_B on Top Layer "Bottom Layer-No Net" (hatched 90Degree grid 0.203 track 0.203, remove dead copper, shelved, pour order 6): -4.572,4.445 119.126,4.445 119.126,-98.171 -4.572,-98.171 -4.572,4.445
GND24_B on Bottom Layer "Bottom Layer-No Net" (hatched 90Degree grid 0.203 track 0.203, remove dead copper, shelved, pour order 4): -4.572,4.445 119.126,4.445 119.126,-98.171 -4.572,-98.171 -4.572,4.445

## Keep-outs
Keep-Out Layer:
  lines w0.2: -0.766,4.386 ccw(c-0.766,0.705) -4.445,0.584 -4.445,-94.414 ccw(c-0.764,-94.414) -0.643,-98.093 ; -0.766,4.394 115.248,4.394 ; -0.643,-98.095 115.376,-98.106 ; 115.248,4.39 cw(c115.369,0.711) 119.05,0.711 ; 115.376,-98.112 ccw(c115.376,-94.431) 119.055,-94.31 119.055,0.711

## Silkscreen, mask and mechanical layers (free items; w line width, h text height)
Top Overlay:
  text "PWM1" at 6.821,-25.121 h0.8
  text "GND" at 6.807,-30.251 h0.8
  text "PWM2" at 6.858,-43.967 h0.8
  text "GND" at 6.858,-48.946 h0.8
  text "PWM3" at 6.756,-62.763 h0.8
  text "GND" at 6.909,-67.894 h0.8
  text "PWM4" at 6.858,-81.534 h0.8
  text "GND" at 6.909,-86.716 h0.8
Bottom Overlay:
  text "启动" at 91.288,4.138 h2 r90
  text "停止" at 99.492,4.138 h2 r90
  text "急停" at 107.925,4.138 h2 r90
  text "地标RX" at 7.925,-2.362 h2 r270
  text "地标TX" at 11.43,-2.362 h2 r270
  text "GND" at 14.935,-2.362 h2 r270
  text "+24V" at 18.288,-2.362 h2 r270
  text "Speek-" at 23.266,-2.362 h2 r270
  text "CMP-A" at 31.598,-2.362 h2 r270
  text "CMP-B" at 34.976,-2.362 h2 r270
  text "GND" at 38.506,-2.362 h2 r270
  text "+24V" at 41.91,-2.362 h2 r270
  text "3.3V" at 46.812,-2.362 h2 r270
  text "电位器2" at 50.343,-2.362 h2 r270
  text "3.3V" at 58.522,-2.362 h2 r270
  text "电位器1" at 62.001,-2.362 h2 r270
  text "GND" at 65.354,-2.362 h2 r270
  text "CAN_H" at 70.231,-2.362 h2 r270
  text "CAN_L" at 73.787,-2.362 h2 r270
  text "GND" at 77.292,-2.362 h2 r270
  text "+24V" at 80.67,-2.362 h2 r270
  text "GND" at 85.446,-2.362 h2 r270
  text "GND" at 93.701,-2.362 h2 r270
  text "GND" at 101.879,-2.362 h2 r270
  text "GND" at 53.67,-2.388 h2 r270
  text "Speek+" at 26.568,-2.515 h2 r270
  text "VCC" at 2.653,-8.636 h2
  text "GND" at 2.653,-12.192 h2
  text "黄" at 118.641,-12.548 h2
  text "绿" at 118.641,-16.078 h2
  text "M1使能" at 2.653,-17.018 h2
  text "红" at 118.641,-19.761 h2
  text "M1方向" at 2.653,-20.422 h2
  text "GND" at 112.141,-20.904 h2 r180
  text "M1刹车" at 2.653,-24.028 h2
  text "+24V" at 112.141,-24.257 h2 r180
  text "PWM1" at 2.653,-27.483 h2
  text "GND" at 2.653,-31.013 h2
  text "黄" at 118.616,-31.42 h2
  text "绿" at 118.616,-34.906 h2
  text "M2使能" at 2.653,-35.865 h2
  text "红" at 118.616,-38.506 h2
  text "M2方向" at 2.653,-39.294 h2
  text "+24V" at 112.141,-39.624 h2 r180
  text "M2刹车" at 2.653,-42.799 h2
  text "PWM2" at 2.653,-46.203 h2
  text "牵开入2" at 118.641,-46.863 h2
  text "GND" at 2.653,-49.708 h2
  text "牵开入1" at 118.641,-50.419 h2
  text "牵开出1" at 118.641,-53.848 h2
  text "M3使能" at 2.653,-54.585 h2
  text "GND" at 112.141,-54.864 h2 r180
  text "M3方向" at 2.653,-57.937 h2
  text "+24V" at 112.141,-58.369 h2 r180
  text "M3刹车" at 2.653,-61.341 h2
  text "GND" at 112.141,-63.398 h2 r180
  text "PWM3" at 2.653,-64.821 h2
  text "GND" at 2.653,-68.453 h2
  text "开出3" at 118.641,-69.215 h2
  text "开出2" at 118.641,-72.796 h2
  text "M4使能" at 2.627,-73.406 h2
  text "开出1" at 118.641,-76.255 h2
  text "M4方向" at 2.627,-76.86 h2
  text "开入3" at 118.643,-79.756 h2
  text "M4刹车" at 2.627,-80.366 h2
  text "开入2" at 118.643,-83.312 h2
  text "PWM4" at 2.627,-83.795 h2
  text "开入1" at 118.641,-86.741 h2
  text "GND" at 2.627,-87.3 h2
  text "DAC1" at 99.239,-91.161 h2 r90
  text "+24V" at 14.656,-91.186 h2 r90
  text "GND" at 18.212,-91.186 h2 r90
  text "+24V" at 29.87,-91.186 h2 r90
  text "GND" at 33.299,-91.186 h2 r90
  text "T9-1" at 40.462,-91.186 h2 r90
  text "T9-2" at 43.967,-91.186 h2 r90
  text "T3-1" at 50.876,-91.186 h2 r90
  text "T1-2" at 73.254,-91.186 h2 r90
  text "GND" at 102.694,-91.186 h2 r90
  text "CAN2-L" at 21.641,-91.211 h2 r90
  text "CAN2-H" at 25.044,-91.211 h2 r90
  text "T3-2" at 54.381,-91.211 h2 r90
  text "24V" at 59.207,-91.211 h2 r90
  text "GND" at 62.687,-91.211 h2 r90
  text "T1-1" at 69.748,-91.211 h2 r90
  text "T1-4" at 83.693,-91.211 h2 r90
  text "DAC4" at 88.646,-91.211 h2 r90
  text "DAC3" at 92.151,-91.211 h2 r90
  text "T1-3" at 80.239,-91.237 h2 r90
  text "DAC2" at 95.709,-91.262 h2 r90